# Altium PCB ADV7611采集卡.PcbDoc (part 1 of 2)
Units mm, origin at the board's own origin, x right, y up, seen from the top; angles counter-clockwise.
Board outline 46.13 x 42.44 mm, 4 copper layers (Top Layer, Power1, Power2, Bottom Layer), stack 0.567 mm thick; 57 components, 83 nets, 296 pads, 306 vias.
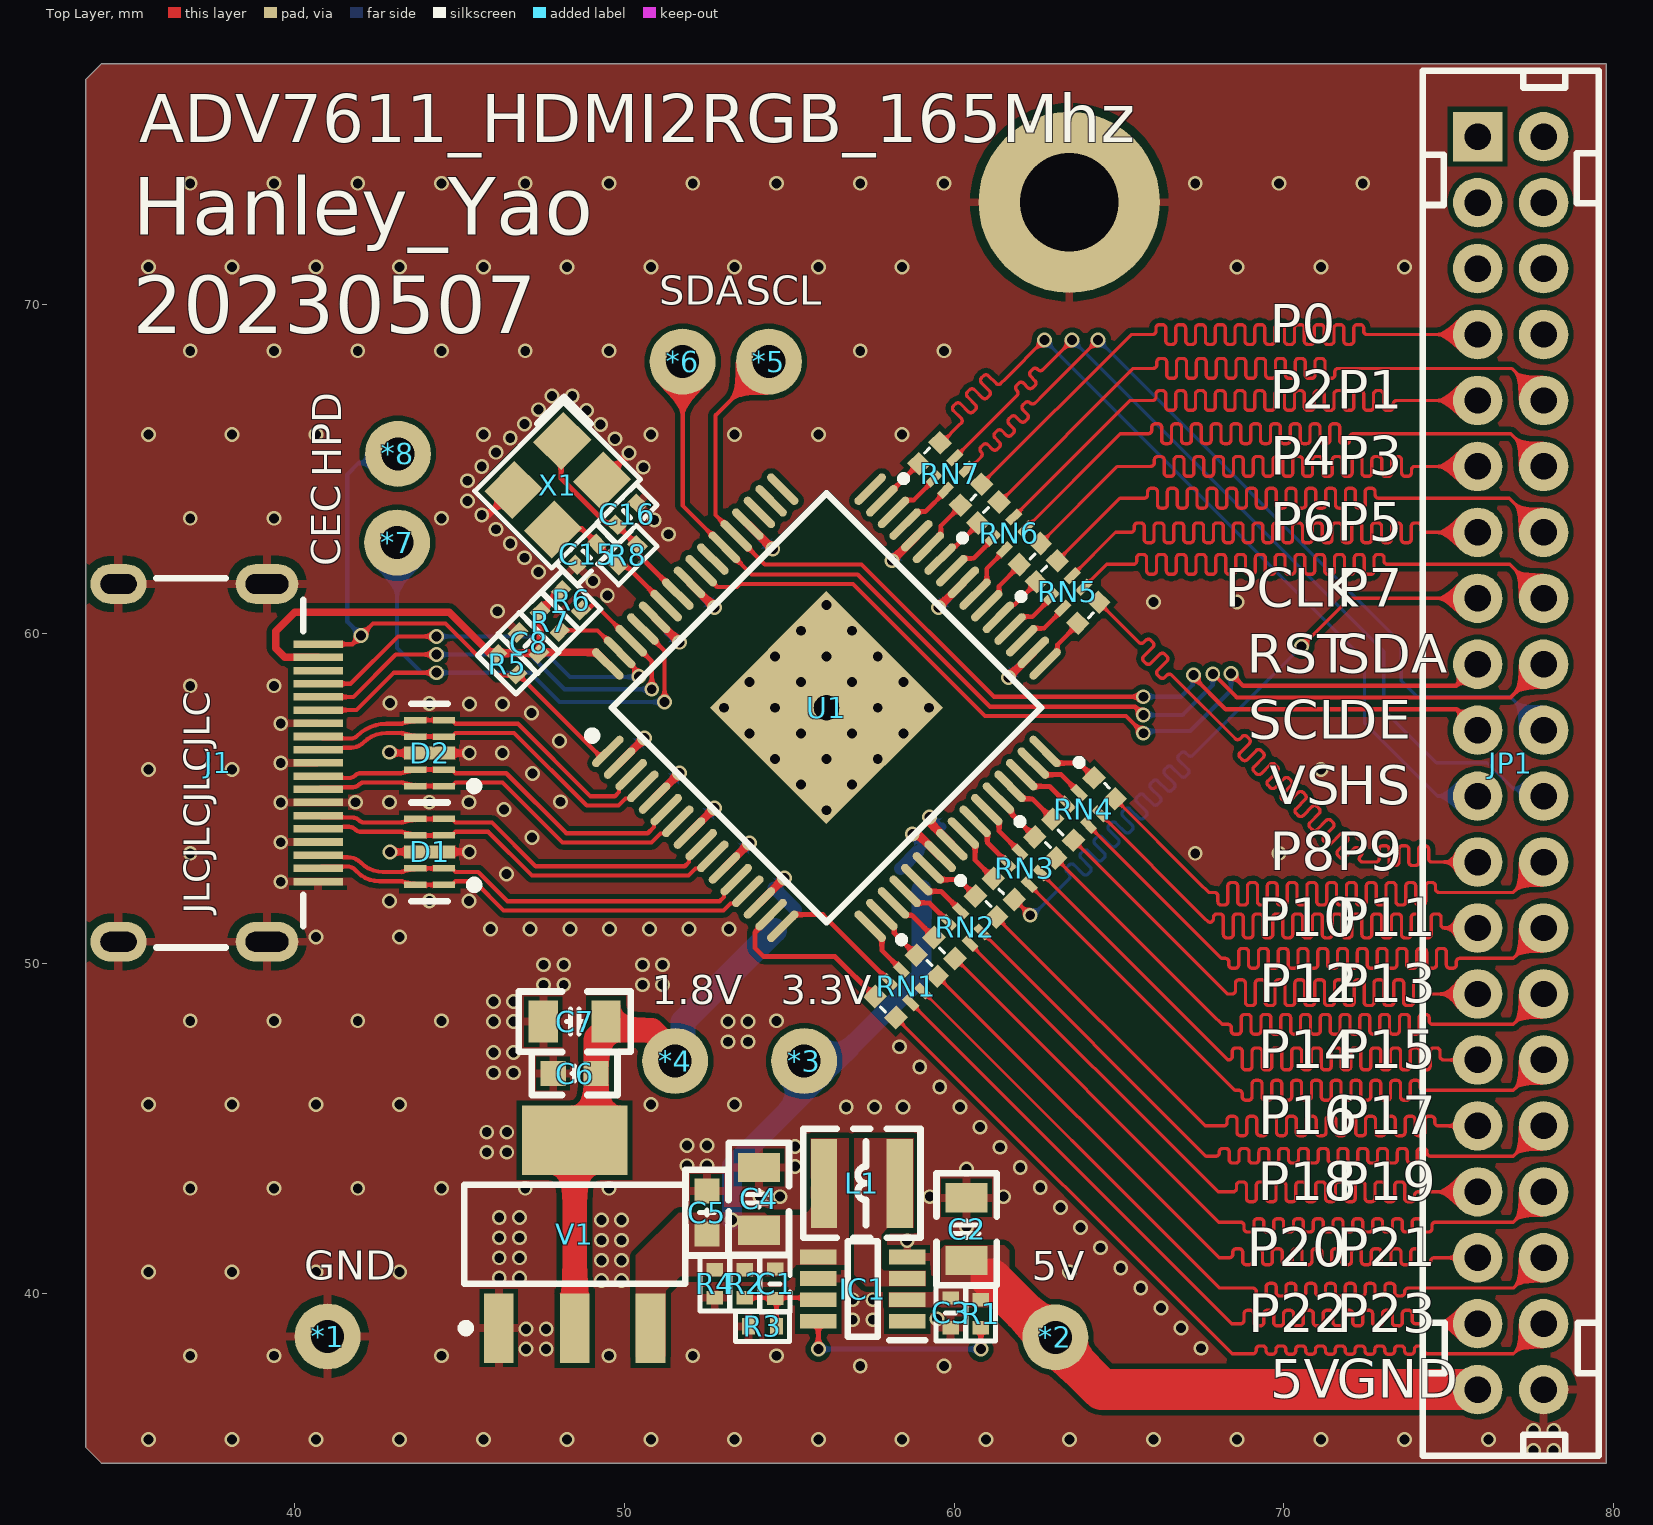
[diagram p0: Top Layer view]
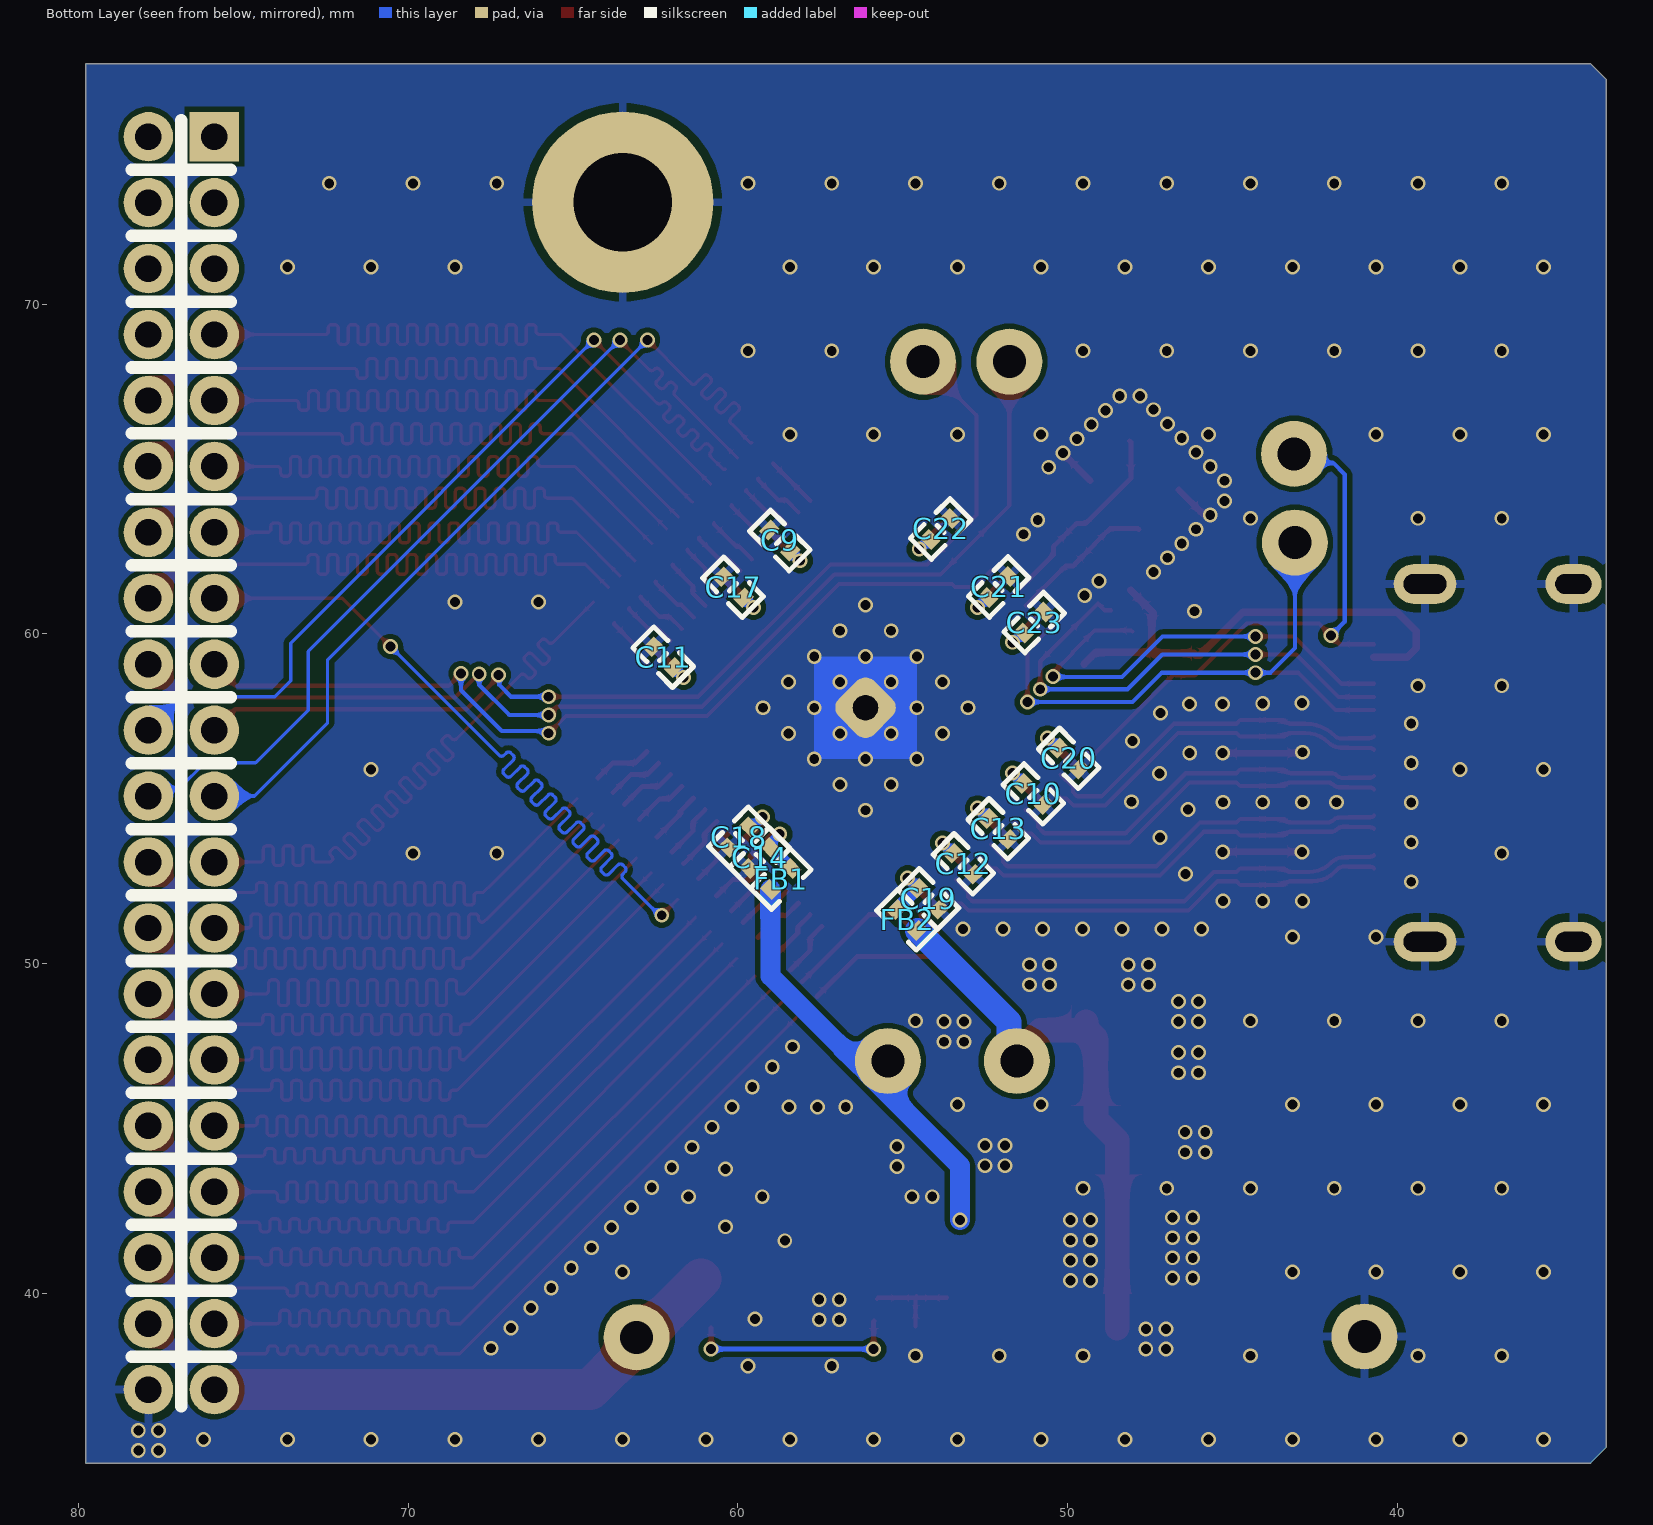
[diagram p1: Bottom Layer view, seen from below]
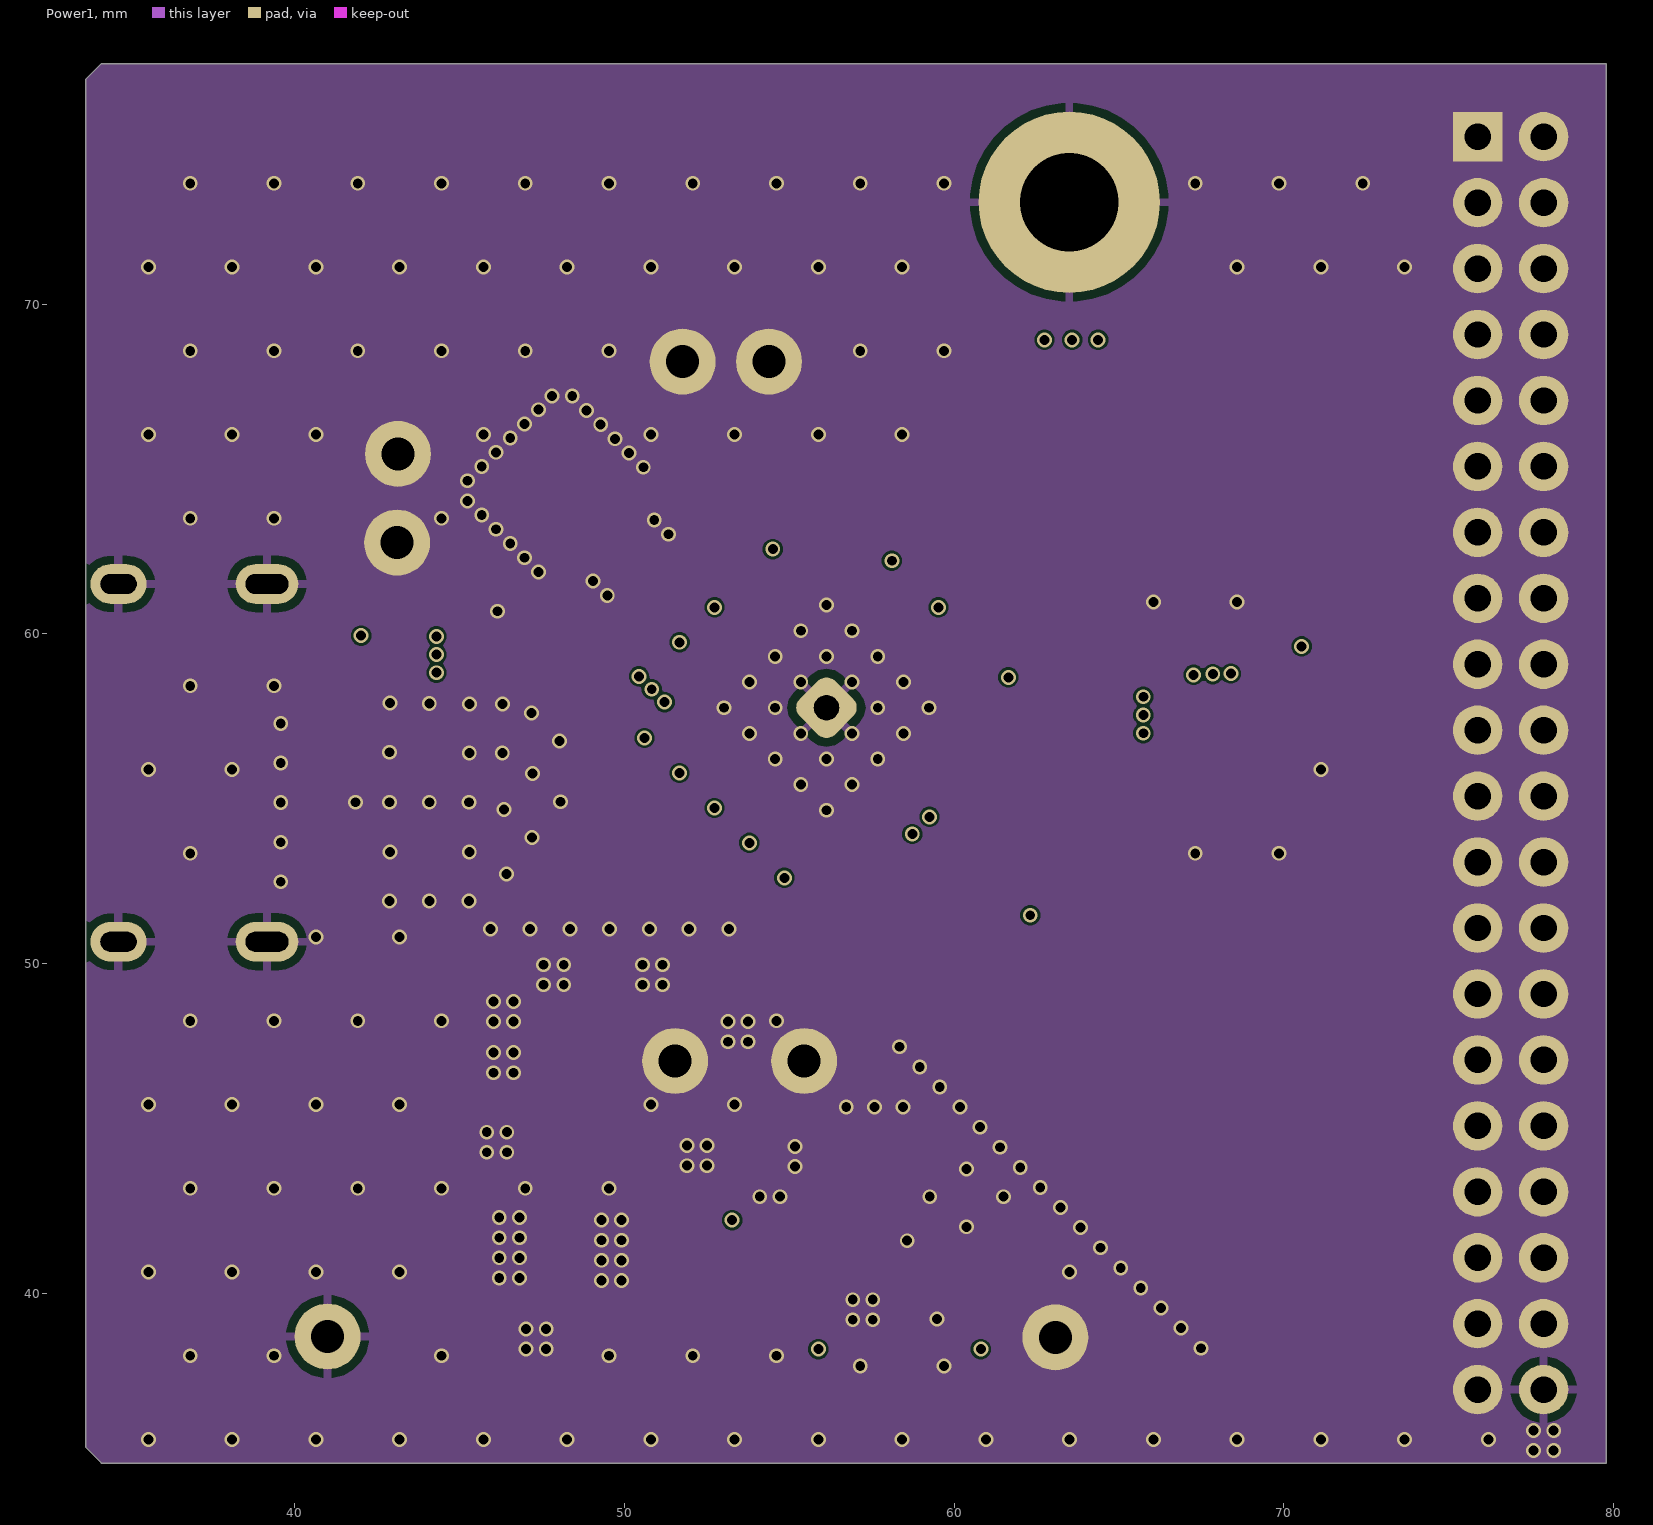
[diagram p2: Power1]
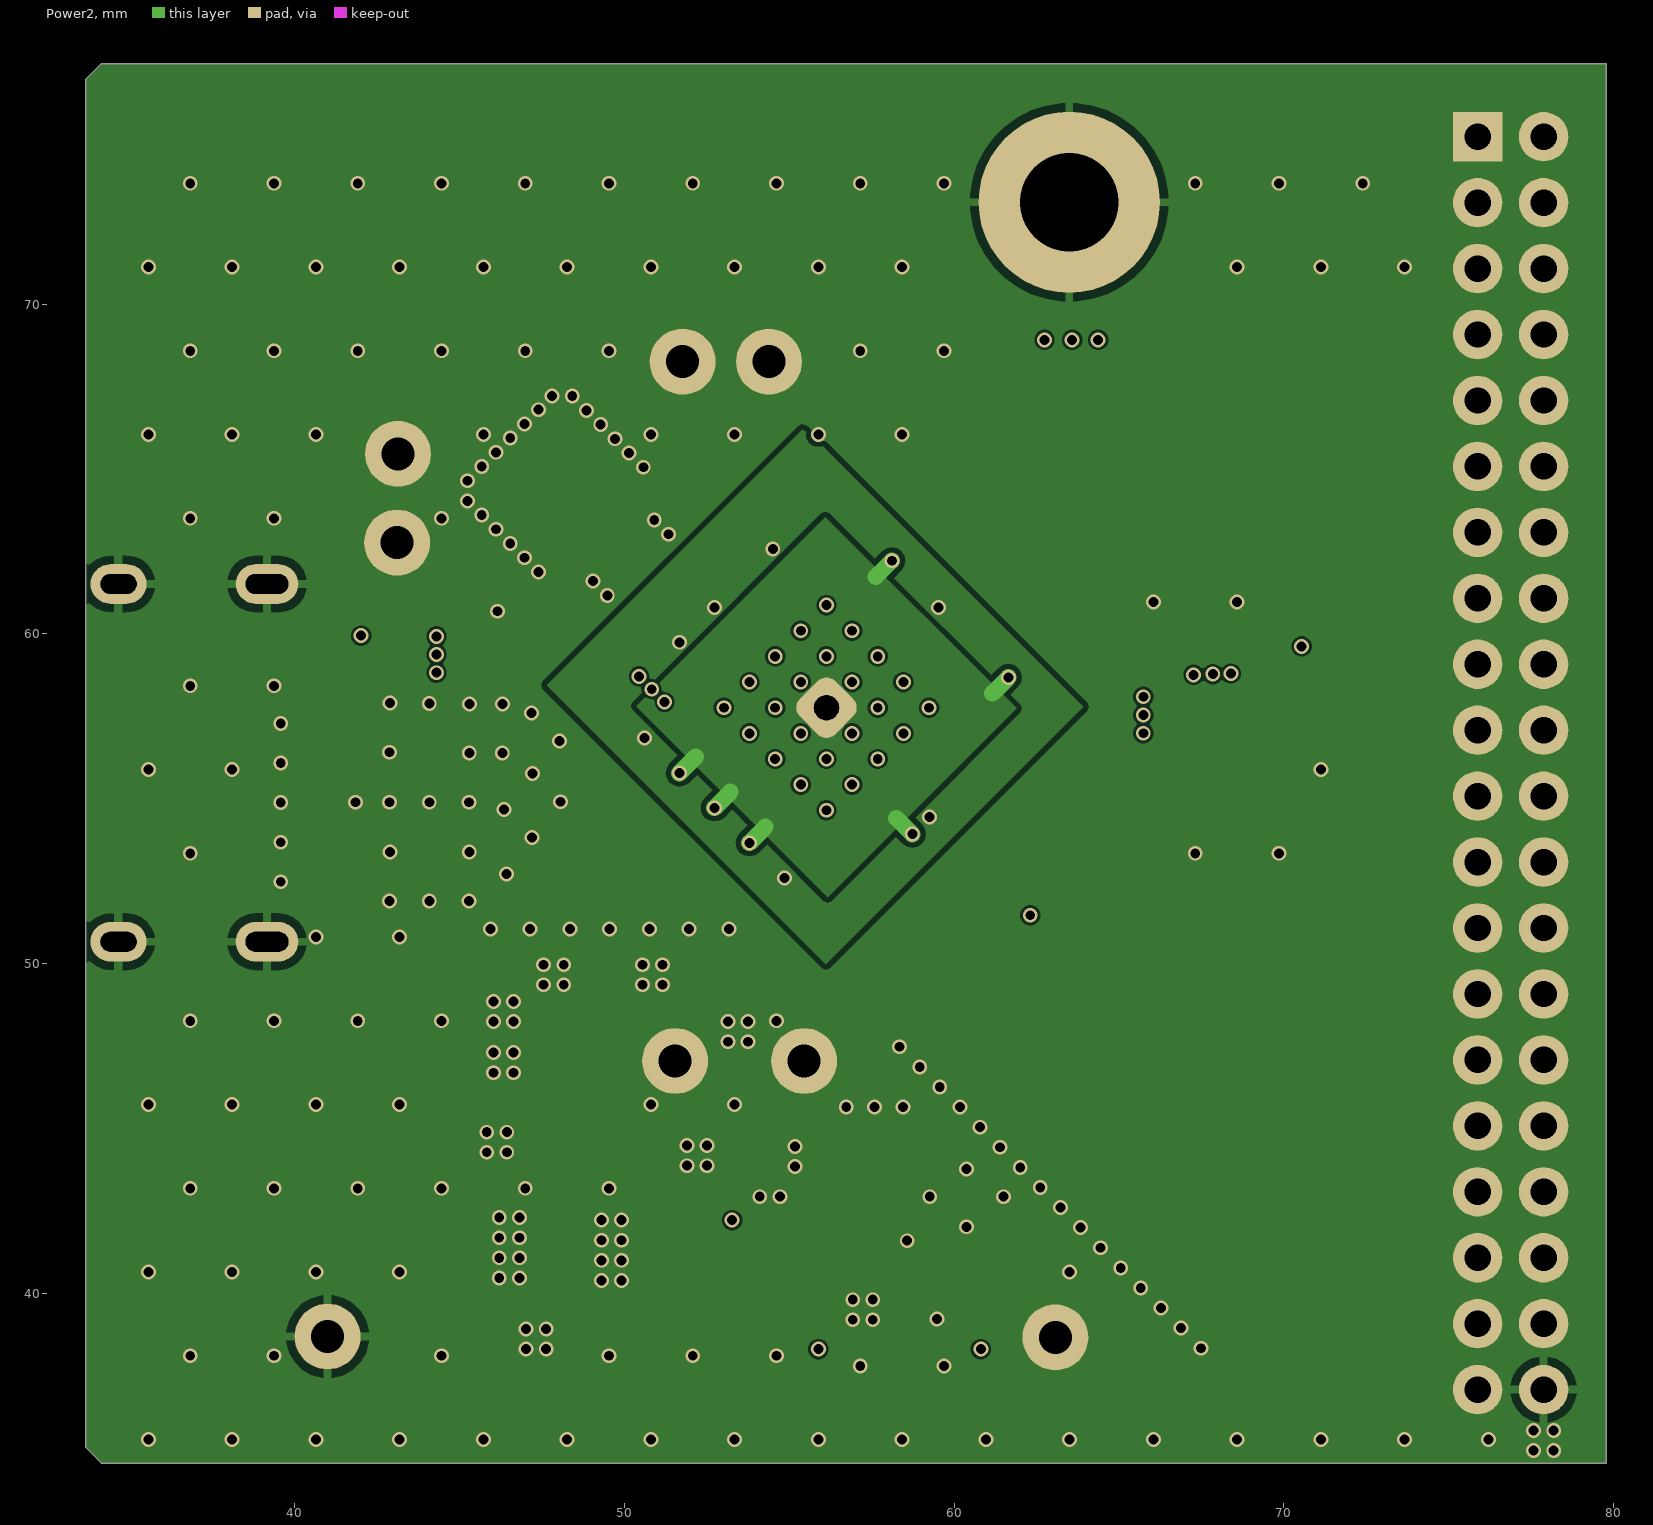
[diagram p3: Power2]
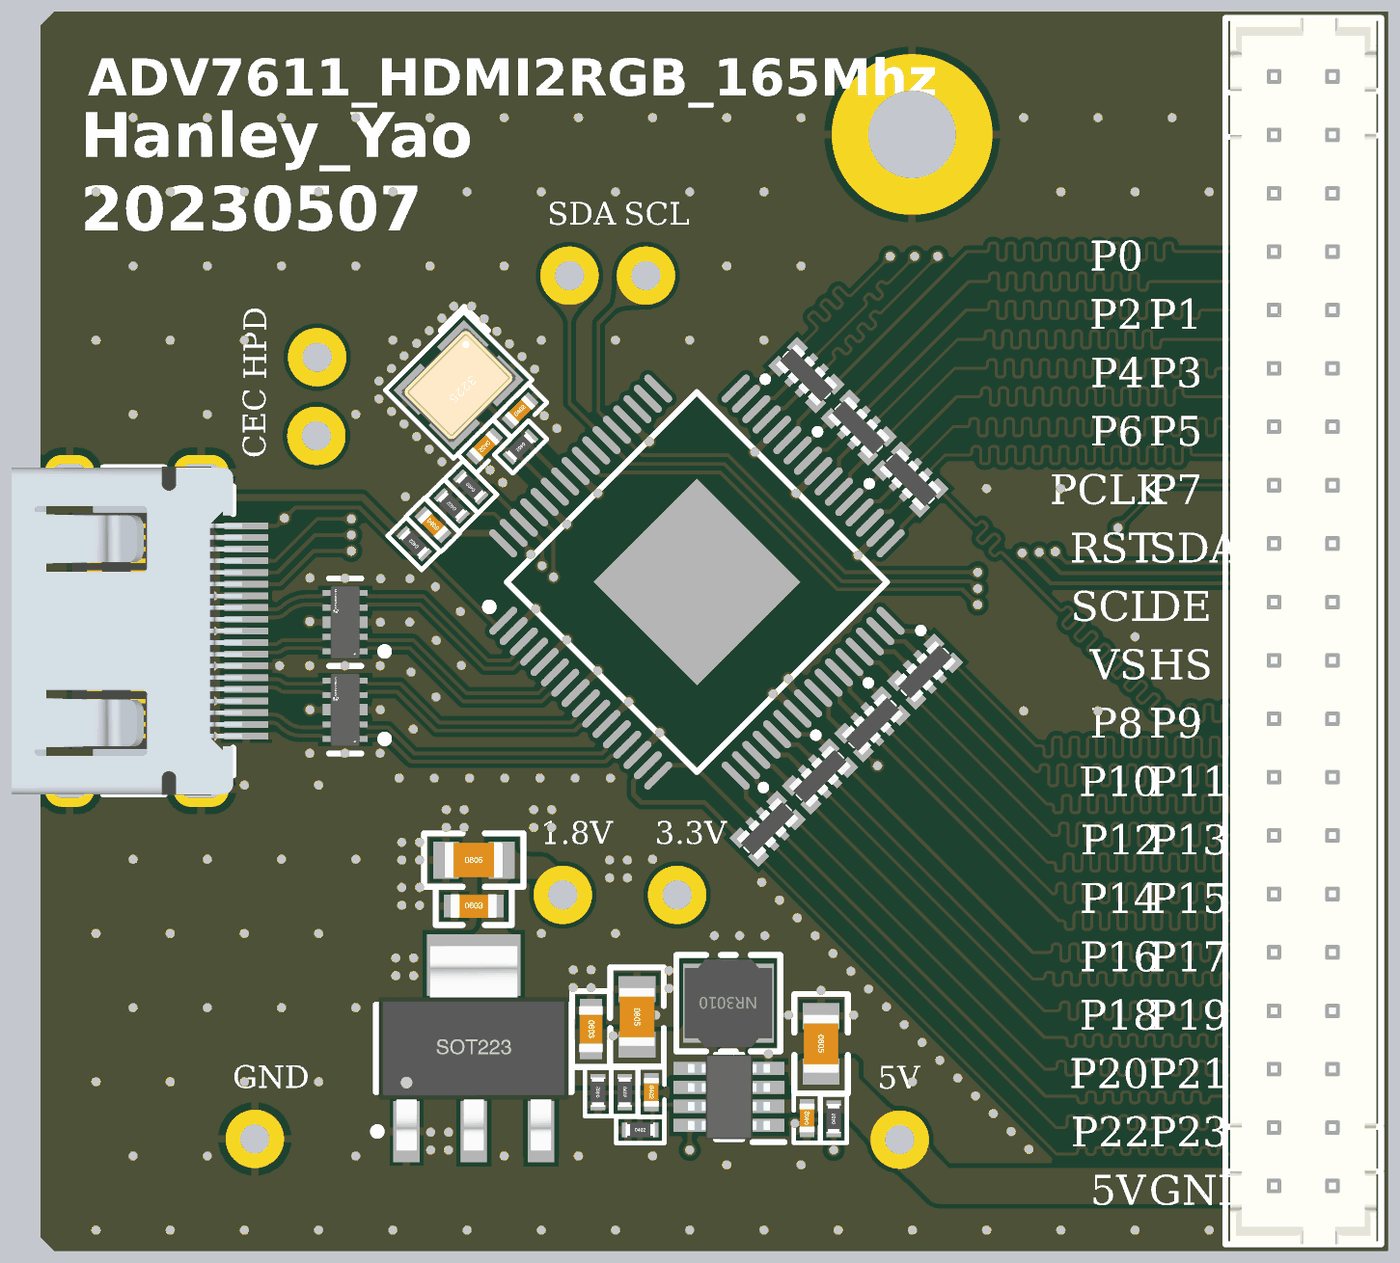
[diagram p5: 3D render of the assembled board from above, using the file's embedded part models]
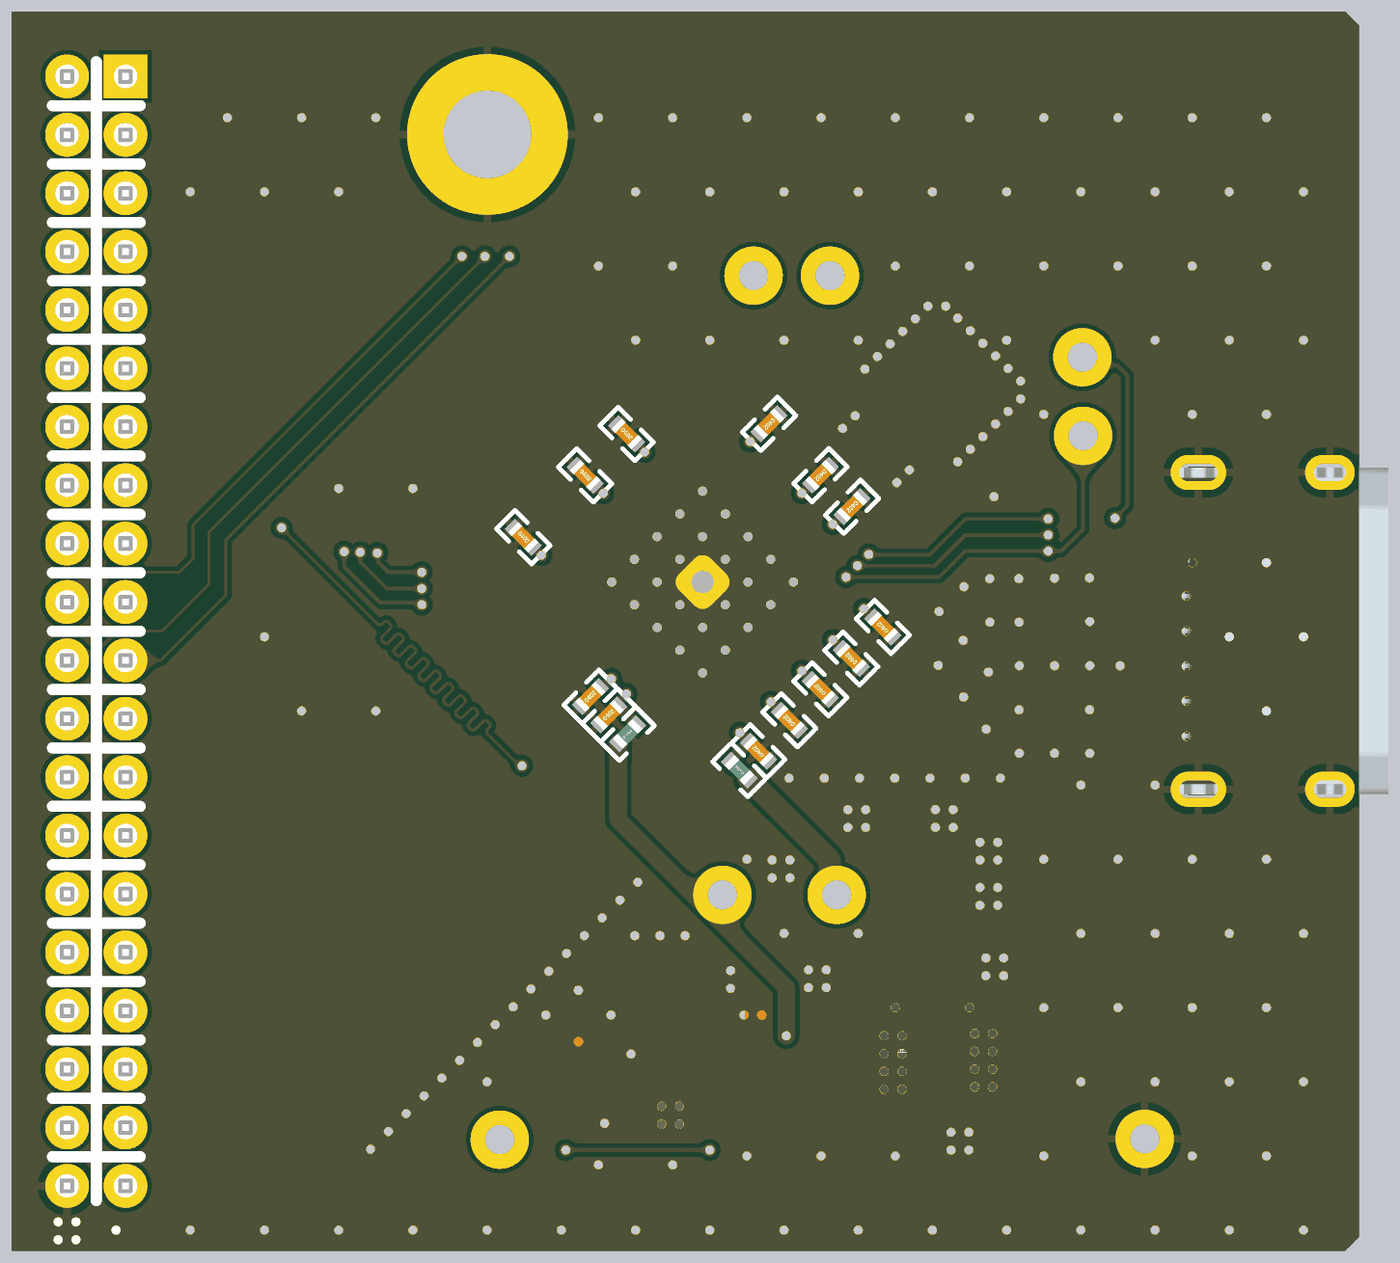
[diagram p6: 3D render of the assembled board from below, using the file's embedded part models]

## Layer stack, top to bottom
Top Solder: solder mask 0.0102, Solder Resist, Dk 3.5
Top Layer: signal copper 0.035
Dielectric 2: prepreg 0.0711, PP-006, Dk 4.1
Power1: signal copper 0.0175
Dielectric 1: dielectric 0.32, FR-4, Dk 4.8
Power2: signal copper 0.0175
Dielectric 3: prepreg 0.0711, PP-006, Dk 4.1
Bottom Layer: signal copper 0.035
Bottom Solder: solder mask 0.0102, Solder Resist, Dk 3.5

## Board outline
34.138,34.849 33.655,35.331 33.655,76.81 34.138,77.292 79.781,77.292 79.781,34.849

## Design rules (kind name [scope] priority, off if disabled: settings)
Clearance Polygon [InPolygon] p1: gap=0.152 ignorepadtopadclearanceinfootprint=TRUE
Clearance [All] p2: gap=0.1 ignorepadtopadclearanceinfootprint=TRUE
ComponentClearance [All] p1: gap=0 collisioncheckmode=3 verticalgap=2540 showdistances=FALSE donotcheckwithout3dbody=TRUE
DiffPairsRouting DiffPair_100RDiffPairsRouting [InDifferentialPair ('HDMI_RX2') Or InDifferentialPair ('HDMI_RX0') Or InDifferentialPair ('HDMI_RX1') Or InDifferentialPair ('HDMI_RXC')] p1: maxlimit=0.152 minlimit=0.152 mostfreqgap=0.152 toplayer_minwidth=0.127 toplayer_maxwidth=0.127 toplayer_prefwidth=0.127 midlayer1_minwidth=0.127 midlayer1_maxwidth=0.127 midlayer1_prefwidth=0.127 midlayer2_minwidth=0.127 midlayer2_maxwidth=0.127 midlayer2_prefwidth=0.127 bottomlayer_minwidth=0.127 bottomlayer_maxwidth=0.127 bottomlayer_prefwidth=0.127 maxuncoupledlength=12.7
DiffPairsRouting [All] p2: maxlimit=0.102 minlimit=0.089 mostfreqgap=0.102 toplayer_minwidth=0.089 toplayer_maxwidth=0.126 toplayer_prefwidth=0.116 midlayer1_minwidth=0.089 midlayer1_maxwidth=0.126 midlayer1_prefwidth=0.116 midlayer2_minwidth=0.089 midlayer2_maxwidth=0.126 midlayer2_prefwidth=0.116 bottomlayer_minwidth=0.089 bottomlayer_maxwidth=0.126 bottomlayer_prefwidth=0.116 maxuncoupledlength=12.7
HoleSize [All] p1: absolutevalues=TRUE maxlimit=10 minlimit=0.025 maxpercent=80.000 minpercent=20.000
HoleToHoleClearance [All] p1: gap=0.127 allowstackedmicrovias=TRUE
MatchedLengths DiffPair_USB_100RMatchedLengths [InDifferentialPair ('HUB')] p1: tolerance=25.4 checknetsindiffpair=FALSE checkdiffpairvsdiffpair=TRUE checkxsignals=TRUE checkothers=TRUE usedelayunits=TRUE delaytolerance=100.000000
MatchedLengths DiffPair_MIPIMatchedLengths [InDifferentialPair ('LP_LANE1') Or InDifferentialPair ('LP_CLK') Or InDifferentialPair ('LP_LANE0')] p2: tolerance=1 checknetsindiffpair=FALSE checkdiffpairvsdiffpair=TRUE checkxsignals=TRUE checkothers=TRUE usedelayunits=TRUE delaytolerance=100.000000
MatchedLengths DiffPair_MIPIMatchedLengths_1 [InDifferentialPair ('LP_LANE1') Or InDifferentialPair ('LP_LANE0') Or InDifferentialPair ('LP_CLK')] p3: tolerance=25.4 checknetsindiffpair=FALSE checkdiffpairvsdiffpair=TRUE checkxsignals=TRUE checkothers=TRUE
MatchedLengths DiffPair_MIPIMatchedLengths_2 [InDifferentialPair ('LP_LANE1') Or InDifferentialPair ('LP_CLK') Or InDifferentialPair ('LP_LANE0')] p4: tolerance=25.4 checknetsindiffpair=FALSE checkdiffpairvsdiffpair=TRUE checkxsignals=TRUE checkothers=TRUE usedelayunits=TRUE delaytolerance=100.000000
MinimumSolderMaskSliver [All] p1: minsoldermaskwidth=0
PlaneClearance [All] p1: clearance=0.254
PlaneConnect [All] p1: planeconnectstyle=Direct reliefexpansion=0.254 reliefentries=4 reliefconductorwidth=0.127 reliefairgap=0.127
PolygonConnect PolygonConnect_GND [IsPad vs InNet('GND')] p1: thpad.connectstyle=Relief thpad.reliefconductorwidth=0.254 thpad.reliefentries=4 thpad.polygonreliefangle="90 Angle" thpad.airgapwidth=0.254 smdpad.connectstyle=Relief smdpad.reliefconductorwidth=0.254 smdpad.reliefentries=4 smdpad.polygonreliefangle="90 Angle" smdpad.airgapwidth=0.127 via.connectstyle=Direct via.reliefconductorwidth=0.254 via.reliefentries=4 via.polygonreliefangle="90 Angle" via.airgapwidth=0.254
PolygonConnect [All] p2: connectstyle=Direct reliefconductorwidth=0.254 reliefentries=4 polygonreliefangle="90 Angle" airgapwidth=0.254
RoutingVias [All] p1: holewidth=0.3 width=0.45 viastyle="Through Hole" minholewidth=0.3 minwidth=0.45 maxholewidth=10 maxwidth=10
SilkToSilkClearance [All] p1: silktosilkclearance=-1
SilkToSolderMaskClearance [IsPad] p1: minsilkscreentomaskgap=0 clearancetoexposedcopper=TRUE
SolderMaskExpansion [All] p1: expansion=0 istentingtop=FALSE
Width [All] p1: maxlimit=2.54 minlimit=0.089 preferedwidth=0.127
21 further rules are at their usual default settings.

## Classes and differential pairs
component class HAT: *1 *2 *3 *4 C1 C2 C3 C4 C5 C6 C7 IC1 JP1 L1 R1 R2 R3 R4 V1
component class ADV7611: *5 *6 *7 *8 C8 C9 C10 C11 C12 C13 C14 C15 C16 C17 C18 C19 C20 C21 C22 C23 D1 D2 FB1 FB2 J1 R5 R6 R7 R8 RN1 RN2 RN3 RN4 RN5 RN6 RN7 U1 X1
differential pair HDMI_RXC: +HDMI_RXC_P -HDMI_RXC_N
differential pair HDMI_RX2: +HDMI_RX2_P -HDMI_RX2_N
differential pair HDMI_RX1: +HDMI_RX1_P -HDMI_RX1_N
differential pair HDMI_RX0: +HDMI_RX0_P -HDMI_RX0_N

## Components (designator, comment, footprint, x,y, rotation, side; value= is the part's Value field where it differs from the comment)
*1 "CS" R100 40.996,38.684 r0 top
*2 "CS" R100 63.068,38.659 r0 top
*3 "CS" R100 55.448,47.041 r0 top
*4 "CS" R100 51.537,47.041 r0 top
*5 "CS" R100 54.381,68.25 r0 top
*6 "CS" R100 51.765,68.25 r0 top
*7 "CS" R100 43.104,62.763 r90 top
*8 "CS" R100 43.129,65.456 r90 top
C1 "15pF" C0402_L 54.566,40.284 r270 top
C2 "10uF" C0805_L 60.376,41.941 r270 top
C3 "0.1uF" C0402_L 59.893,39.401 r90 top
C4 "22uF" C0805_L 54.077,42.86 r270 top
C5 "22uF" C0603_L 52.502,42.443 r270 top
C6 "22uF" C0603_L 48.489,46.66 r0 top
C7 "22uF" C0805_L 48.489,48.235 r0 top
C8 "0.1uF" C0402_L 47.089,59.72 r315 top
C9 "470nF" C0402_L 58.725,62.828 r225 bottom
C10 "470nF" C0402_L 51.038,55.141 r45 bottom
C11 "470nF" C0402_L 62.263,59.29 r225 bottom
C12 "470nF" C0402_L 53.157,53.022 r45 bottom
C13 "470nF" C0402_L 52.097,54.081 r45 bottom
C14 "470nF" C0402_L 59.335,53.201 r135 bottom
C15 "15pF" C0402_L 48.856,62.407 r225 top
C16 "15pF" C0402_L 50.073,63.623 r45 top
C17 "470nF" C0402_L 60.144,61.409 r225 bottom
C18 "470nF" C0402_L 59.964,53.83 r135 bottom
C19 "470nF" C0402_L 54.217,51.962 r45 bottom
C20 "470nF" C0402_L 49.96,56.219 r45 bottom
C21 "470nF" C0402_L 52.089,61.418 r315 bottom
C22 "470nF" C0402_L 53.849,63.178 r315 bottom
C23 "470nF" C0402_L 51.011,60.34 r315 bottom
D1 "RCLAMP0524PATCT" FP-SLP2510P8-MFG 44.089,53.383 r180 top
D2 "RCLAMP0524PATCT" FP-SLP2510P8-MFG 44.089,56.38 r180 top
FB1 "90R@100Mhz" L0402 58.694,52.56 r135 bottom
FB2 "90R@100Mhz" L0402 54.868,51.32 r45 bottom
IC1 "MP2143DJ-LF-Z" SOP65P280X100-8N 57.226,40.123 r180 top
J1 "685119136923" 685119136923 36.457,56.083 r270 top
JP1 "Header 2X11" PHD2.0-LI-2x20P 76.876,56.074 r270 top
L1 "1.5uH" NR3010 57.201,43.332 r180 top
R1 "4.7K" R0402_L 60.808,39.376 r90 top
R2 "45.3K" R0402_L 53.652,40.284 r270 top
R3 "10K" R0402_L 54.185,38.989 r0 top
R4 "10K" R0402_L 52.738,40.284 r90 top
R5 "1.5K" R0402_L 46.443,59.074 r135 top
R6 "2.2K" R0402_L 48.382,61.013 r135 top
R7 "2.2K" R0402_L 47.736,60.367 r135 top
R8 "390K" R0402_L 50.091,62.384 r225 top
RN1 "33R" EXB28V510JX 58.543,49.306 r225 top
RN2 "33R" EXB28V510JX 60.336,51.098 r225 top
RN3 "33R" EXB28V510JX 62.134,52.886 r225 top
RN4 "33R" EXB28V510JX 63.93,54.682 r225 top
RN5 "33R" EXB28V510JX 63.437,61.266 r315 top
RN6 "33R" EXB28V510JX 61.667,63.046 r315 top
RN7 "33R" EXB28V510JX 59.879,64.845 r315 top
U1 "" ADI-SW-64-2_L 56.126,57.756 r45 top
V1 "LD1117-3V3" SOT223_L 48.489,41.788 r90 top
X1 "28.63636M" "OSC 3225-4P" 47.971,64.503 r225 top
